# KiCad board constellation.kicad_pcb (continued)
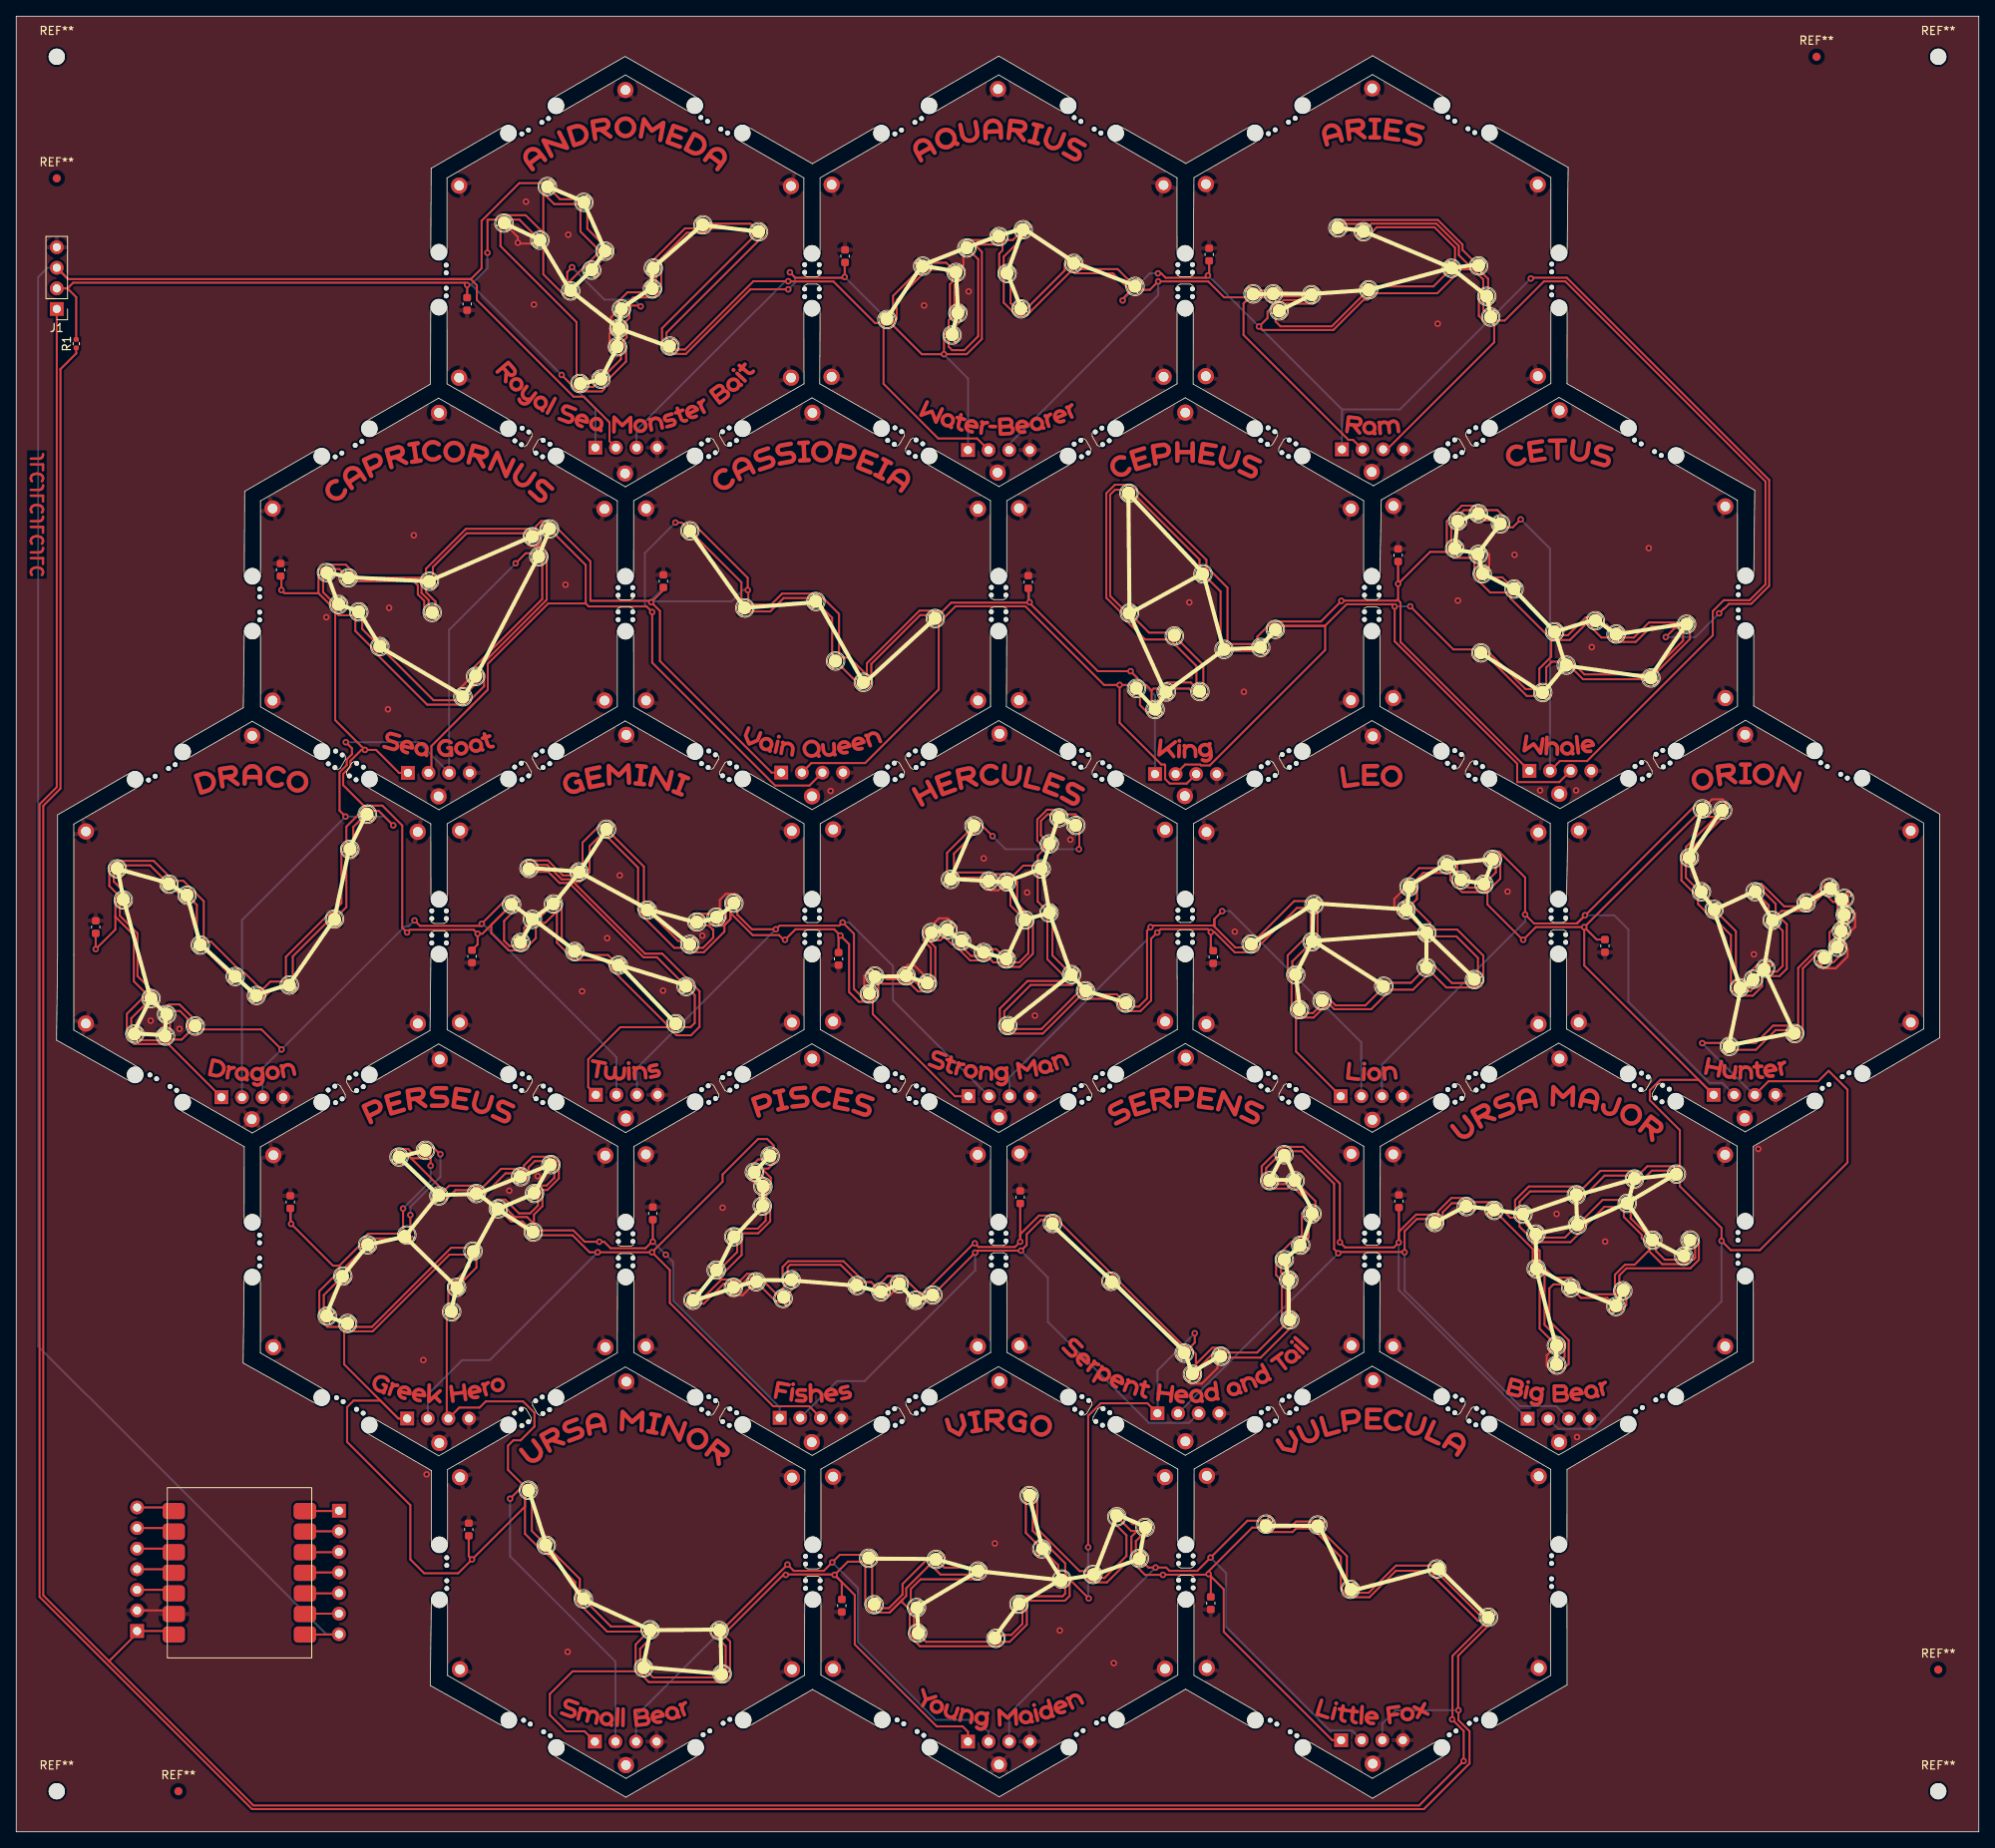
[diagram p0: board, top side]
## Routing (per net, layer and track width the routed paths; a pad name or vN(x,y) marks a point on that pad's centre or on a via; arc(x,y) is an arc through that point) (continued)
LED_Andromeda: length 293.2
  Top w0.25: 6.39,191.57 53.48,191.57 ; 6.39,191.57 J1.3 6.39,191.57 ; 53.48,191.57 56.07,191.57 57.38,192.88 57.38,198.76 62.03,203.41 U1.4 65.06,203.4 ; 53.48,191.57 56.03,191.57 56.8,190.8 56.8,188.99 68.73,177.06 69.99,177.06 73.16,173.89 73.16,171.57 J3.2 ; U267.1 39.76,24.33 J40.7
  Bottom w0.25: J40.7 38.23,24.37 2.7,59.9 2.7,191.8 3.86,192.96 J1.3
LED_Aquarius: length 84
  Top w0.25: 106.94,186.15 105.89,186.15 100.77,191.27 95.23,191.27 v1(95.2,191.3) 90.9,191.3 82.48,182.88 U17.1 ; 106.94,186.15 106.77,186.15 ; 106.94,186.15 106.94,178.64 113.69,171.9 118.48,171.9 J4.2
  Bottom w0.25: v1(95.2,191.3) 94.84,191.3 76.49,172.95 J3.3
LED_Aries: length 68.9
  Top w0.25: U29.1 139.78,190.24 v1(140.81,191.28) 140.9,191.36 140.98,191.28 146.98,191.28 148.94,189.31 U30.4 151.34,188.56 151.34,184.66 164.27,171.74 164.84,171.74 J5.2
  Bottom w0.25: v1(140.81,191.28) 140.81,189.57 122.44,171.2 J4.3
LED_Capricornus: length 100.2
  Top w0.25: 55.84,138.61 58.14,140.91 58.14,144.09 65.59,151.55 70.22,151.55 ; 70.22,151.55 70.59,151.18 77.73,151.18 v1(78.42,150.49) 78.42,144.24 93.58,129.08 97.81,129.08 J8.3 ; 70.22,151.55 70.22,156.29 U73.4 ; J9.2 51.2,131.01 51.2,133.97 56.35,139.12 ; 82.64,160.94 82.05,161.53 v1(81.28,161.53)
  Bottom w0.25: v1(81.28,161.53) 77.52,157.77 77.52,151.39 v1(78.42,150.49)
LED_Cassiopeia: length 77
  Top w0.25: J7.3 144.32,129.32 142.24,129.32 141.67,129.89 141.67,131.6 141.59,131.68 141.21,131.68 136.06,136.82 v1(136.06,141.49) ; J8.2 98.05,131.86 104.68,131.86 113.75,140.93 U67.4 113.89,149.26 115.83,151.2 124.43,151.2 134.14,141.49 v1(136.06,141.49) ; v1(136.06,141.49) U66.1
LED_Cepheus: length 96.8
  Top w0.25: J6.3 190.28,129.51 185.08,129.51 185.08,131.77 169.97,146.88 169.97,151.44 164.04,151.44 161.37,148.78 155.68,148.78 161.4,148.78 161.4,145.8 147.17,131.57 146.1,131.57 145.99,131.68 144.13,131.68 J7.2 ; U55.1 177.21,145.88 v1(171.89,151.19)
  Bottom w0.25: v1(169.97,151.17) 169.99,151.19 v1(171.89,151.19)
LED_Cetus: length 153.1
  Top w0.25: J5.3 169.03,170.56 182.25,183.77 U40.1 183.56,186.45 188.38,191.28 191.01,191.28 215.7,166.6 215.7,153.9 213.75,151.95 210.55,151.95 209.2,150.6 209.2,147.61 193.7,132.11 190.34,132.11 J6.2 ; 183.44,160.94 184.54,160.94 v1(185.52,161.92)
  Bottom w0.25: J6.2 189.13,158.31 v1(185.52,161.92)
LED_Draco: length 106.9
  Top w0.25: U84.1 62.83,157.75 v1(61.58,156.5) ; 43.72,125.97 44.69,125.97 v1(46.49,124.17) ; J10.2 27.6,90.63 ; v1(40.61,125.25) 39.87,125.99 39.87,130.72 40.76,131.61 40.76,132.31 41.4,132.95 41.4,133.67 v1(40.64,134.43)
  Bottom w0.25: v1(46.49,124.17) 45.41,125.25 v1(40.61,125.25) 27.84,112.48 J10.2 ; v1(61.58,156.5) 53.38,148.3 J9.3 49.6,134.43 v1(40.64,134.43)
LED_Gemini: length 82.4
  Top w0.25: U101.4 60.19,114.83 57.4,112.05 v1(57.4,112.02) 57.15,111.77 49.79,111.77 v1(49.12,112.44) 49.23,112.55 ; U100.1 30.25,98.99 v1(32.72,96.52)
  Bottom w0.25: v1(57.4,112.02) 57.55,112.02 74.01,95.56 J11.2 ; v1(49.12,112.44) 48.37,111.69 47.89,111.69 v1(32.72,96.52) 30.38,94.18 J10.3
LED_Hercules: length 82.7
  Top w0.25: U117.4 104.35,102.95 103.3,104 103.3,110.8 v1(101.9,112.2) 101.5,111.8 94.12,111.8 v1(93.67,111.35) 90.72,111.35 88.92,113.16 88.92,114.14
  Bottom w0.25: v1(93.67,111.35) 76.55,94.23 J11.3 ; v1(101.9,112.2) 102.7,112.2 108.1,106.8 108.1,102.6 J12.2
LED_Leo: length 86.4
  Top w0.25: v1(148.71,113.58) 147.74,112.61 ; 147.74,112.61 147.74,111.81 140.07,111.81 v1(139.87,111.61) 139.44,111.18 139.44,102.82 138.43,101.81 U139.1 ; 147.74,112.61 147.74,111.68 150.32,109.1 U140.4
  Bottom w0.25: v1(139.87,111.61) 139.44,111.18 139.44,110.06 122.49,93.11 J12.3 ; v1(148.71,113.58) 149.68,113.58 165.86,97.4 J13.2
LED_Orion: length 102.6
  Top w0.25: v1(193.44,113.08) 192.47,112.11 192.47,112.07 ; U156.4 207.03,126.62 192.47,112.07 ; 192.47,112.07 187.16,112.07 v1(186.06,113.17) 186.06,117.74 182.85,120.95 181.99,120.95 181.6,120.56 U155.1
  Bottom w0.25: J13.3 168.4,94.65 186.06,112.31 v1(186.06,113.17) ; v1(193.44,113.08) 197.02,113.08 198.8,111.3 198.8,102.4 208.8,92.4 210.37,92.4 J14.2
LED_OUT: length 381.3
  Top w0.25: U266.1 181.96,25.87 177.8,21.71 177.8,15.04 v1(177.84,15) 177.84,13.77 179.21,12.41 179.21,8.43 173.58,2.8 29.06,2.8 2.88,28.98 2.88,126.77 5,128.89 J1.1
  Bottom w0.25: v1(177.84,15) 170.1,15 168.45,13.35 J23.3
LED_Perseus: length 100.5
  Top w0.25: v1(78.4,71.5) v1(71.7,71.5) 70.7,71.5 68.6,73.6 64.21,73.6 U223.4 ; v1(78.4,71.5) 87.1,80.2 87.1,81.1 91.47,85.47 92.6,85.47 93.39,84.68 U222.1 ; v1(78.4,71.5) 80.6,69.3 80.6,65.25 93.35,52.5 97.79,52.5 J17.3
  Bottom w0.25: J18.2 50.75,53.95 55,58.2 58.4,58.2 v1(71.7,71.5)
LED_Pisces: length 84
  Top w0.25: U206.1 126.36,75.49 124.6,73.72 124.6,72.4 v1(123.9,71.7) 118.5,71.7 v1(118.25,71.45) U207.4
  Bottom w0.25: v1(118.25,71.45) 118.25,69.25 104.6,55.6 101.21,55.6 J17.2 ; J16.3 144.62,50.46 139.66,50.46 127.21,62.91 127.21,68.39 v1(123.9,71.7)
LED_Serpens: length 90.8
  Top w0.25: U194.4 158.5,83.97 162.5,79.96 162.5,71.9 v1(163.01,71.38) 163.17,71.54 171.16,71.54 v1(171.2,71.5) ; 171.2,71.89 v1(171.2,71.5) ; v1(171.2,71.5) 171.2,74.1 172.71,75.6 174.5,75.6
  Bottom w0.25: v1(163.01,71.38) J16.2 ; v1(171.2,71.5) 171.2,66.77 185.45,52.52 189.89,52.52 J15.3
LED_Ursa_major: length 100.9
  Top w0.25: U175.4 205.14,79.64 210.28,74.5 v1(210.28,72.9) 211.42,71.76 215,71.76 225.81,82.57 225.81,91.56 223.49,93.89 222.2,92.6 216.07,92.6 J14.3 ; U174.1 207.93,97.33 v1(207.9,97.3)
  Bottom w0.25: J14.3 214.28,90.92 v1(207.9,97.3) ; v1(210.28,72.9) 210.28,65.43 194.57,49.72 190.15,49.72 J15.2
LED_Ursa_minor: length 74.7
  Top w0.25: U239.1 53.09,63.55 53.09,51.19 J18.3 54.64,52.34 57.14,52.34 57.9,53.1 62.5,53.1 63.9,51.7 63.9,50 62.2,48.3 61.3,48.3 60.64,47.64 60.64,44.65 U240.4 62.7,42.59 62.39,42.59 v1(60.9,41.1)
  Bottom w0.25: v1(60.9,41.1) 60.9,34 73.89,21.01 J19.2
LED_Virgo: length 84.5
  Top w0.25: U246.1 87.38,25.25 v1(95.1,32.97) 95.87,32.2 99.58,32.2 v1(100.62,33.24) 101.56,34.18 U247.4
  Bottom w0.25: J22.2 119.9,12.3 118.4,13.8 113.4,13.8 103.8,23.4 103.8,30.06 v1(100.62,33.24) ; J19.3 76.43,14.3 v1(95.1,32.97)
LED_Vulpecula: length 78.6
  Top w0.25: U261.1 139.6,32.6 v1(140.5,32.6) 141.79,32.6 142.2,32.2 145.64,32.2 v1(147.27,33.83) 151.82,38.38 U262.4
  Bottom w0.25: v1(140.5,32.6) 122.44,14.55 J22.3 ; v1(147.27,33.83) 149.2,31.9 149.2,25.28 162,12.47 164.74,12.47 J23.2
Net-(J40-Pin_1): length 4.2
  Top w0.25: J40.1 39.76,39.57 U267.7
Net-(J40-Pin_2): length 4.2
  Top w0.25: U267.6 35.64,37.07 J40.2
Net-(J40-Pin_3): length 4.2
  Top w0.25: U267.5 39.76,34.49 39.8,34.53
Net-(J40-Pin_4): length 4.2
  Top w0.25: U267.4 35.64,31.99 J40.4
Net-(J40-Pin_5): length 4.2
  Top w0.25: U267.3 39.76,29.41 J40.5
Net-(J40-Pin_6): length 4.2
  Top w0.25: J40.6 35.64,26.91 U267.2
Net-(J41-Pin_3): length 4.7
  Top w0.25: 14.9,29.85 19,29.85 U267.12
Net-(J41-Pin_4): length 4.7
  Top w0.25: J41.4 19,32.4 U267.11
Net-(J41-Pin_5): length 4.7
  Top w0.25: U267.10 19,34.94 J41.5
Net-(J41-Pin_6): length 4.7
  Top w0.25: U267.9 19,37.47 J41.6
Net-(J41-Pin_7): length 4.7
  Top w0.25: U267.8 19,40.01 J41.7
Net-(U1-DOUT): length 4.1
  Top w0.25: U2.4 69.53,201.42 67.06,201.42 U1.1
Net-(U2-DOUT): length 5.9
  Top w0.25: U3.4 70.42,197.78 U2.1
Net-(U3-DOUT): length 1.8
  Top w0.25: U3.1 72.59,194.3 U4.4
Net-(U4-DOUT): length 2.5
  Top w0.25: U4.1 70.5,192.25 U5.4
Net-(U5-DOUT): length 7.8
  Top w0.25: 65,195.94 65,192.15 67.47,189.68 U5.1
Net-(U6-DOUT): length 4.5
  Top w0.25: U7.4 62.04,198.9 U6.1
Net-(U7-DOUT): length 22.8
  Top w0.25: U7.1 59.71,195.63 69.09,186.25 U8.4
Net-(U8-DOUT): length 2
  Top w0.25: U8.1 71.14,178.26 U9.4
Net-(U10-DIN): length 4
  Top w0.25: U10.4 74.56,181.69 U9.1
Net-(U10-DOUT): length 2.1
  Top w0.25: 74.73,185.06 74.73,184.5 74.42,184.19 74.02,184.19 73.72,183.9 U10.1
Net-(U11-DOUT): length 2
  Top w0.25: U11.1 73.89,186.16 75.06,187.34 U12.4
Net-(U12-DOUT): length 4.8
  Top w0.25: U12.1 74.21,188.78 75.37,189.94 U13.4
Net-(U13-DOUT): length 1.8
  Top w0.25: U14.4 78.88,192.38 U13.1
Net-(U14-DOUT): length 8.1
  Top w0.25: U14.1 78.14,193.5 82.47,197.83 U15.4
Net-(U15-DOUT): length 6.3
  Top w0.25: U15.1 85.39,198.4 90.53,198.4 U16.4
Net-(U16-DOUT): length 18.1
  Top w0.25: U17.4 80.18,184.95 91.95,196.72 91.95,196.97
Net-(U18-DOUT): length 7.2
  Top w0.25: U18.1 108.12,187.32 108.12,189.5 U19.4
Net-(U19-DOUT): length 3.6
  Top w0.25: U19.1 114.69,193.59 U20.4
Net-(U20-DOUT): length 4.4
  Top w0.25: U20.1 116.31,191.47 115.69,190.84 115.69,187.8
Net-(U21-DOUT): length 2.2
  Top w0.25: U21.1 116.53,186.47 115.83,185.76 U22.4
Net-(U22-DOUT): length 16.4
  Top w0.25: U22.1 114.97,183.22 115.4,182.8 116.9,182.8 118.62,184.52 118.62,194.01 U23.4
Net-(U23-DOUT): length 4.3
  Top w0.25: U24.4 117.09,196.38 116.8,196.09 U23.1
Net-(U24-DOUT): length 2.5
  Top w0.25: U24.1 122.64,197.24 123.5,198.09 U25.4
Net-(U25-DOUT): length 5.7
  Top w0.25: U25.1 124.59,197.16 121.76,194.33 U26.4
Net-(U26-DOUT): length 4.2
  Top w0.25: U27.4 122.61,188.59 U26.1
Net-(U27-DOUT): length 8.5
  Top w0.25: U27.1 124.55,187.9 129.29,192.64 129.29,193.48 129.74,193.93 129.99,193.93
Net-(U28-DOUT): length 7.5
  Top w0.25: U28.1 131.11,192.8 135.82,192.8 U29.4
Net-(U30-DOUT): length 1.6
  Top w0.25: 152.94,190.16 U31.4
Net-(U31-DOUT): length 4.2
  Top w0.25: U31.1 155.54,189.43 158.41,189.43 159.04,190.06 U32.4
Net-(U32-DOUT): length 4.8
  Top w0.25: U32.1 160.15,188.74 159.94,188.53 156.6,188.53 156.15,188.07
Net-(U33-DOUT): length 13.9
  Top w0.25: 166.34,189.81 166.3,189.81 162.22,185.74 155.9,185.74 155.29,186.34 U33.1
Net-(U34-DOUT): length 10.1
  Top w0.25: U34.1 174.75,190.66 176.56,192.47
Net-(U35-DOUT): length 14.4
  Top w0.25: U35.1 177.41,195.44 174.89,197.96 167.76,197.96 166.78,196.99 U36.4
Net-(U36-DOUT): length 2.4
  Top w0.25: U37.4 164.1,197.46 164.47,197.84 U36.1
Net-(U37-DOUT): length 20.4
  Top w0.25: U37.1 162.55,198.78 162.62,198.86 175.31,198.86 178.34,195.83 178.34,195.17 179.9,193.62
Net-(U38-DOUT): length 3.3
  Top w0.25: U39.4 181.5,190.12 181.5,191.6 180.75,192.35 U38.1
Net-(U39-DOUT): length 1.9
  Top w0.25: U39.1 180.91,187.8 181.4,187.31
Net-(U41-DOUT): length 2
  Top w0.25: 182.59,161.8 181.15,161.8 180.72,162.22
Net-(U42-DOUT): length 2.4
  Top w0.25: U43.4 178.18,162.75 178.5,163.06 U42.1
Net-(U43-DOUT): length 2.7
  Top w0.25: U44.4 176.95,160.92 U43.1
Net-(U44-DOUT): length 2.1
  Top w0.25: U44.1 179.76,157.91 U45.4
Net-(U45-DOUT): length 1.7
  Top w0.25: U45.1 180.72,156.69 180.34,156.32 U46.4
Net-(U46-DOUT): length 3.5
  Top w0.25: 184.28,153.75 183.25,154.78 U46.1
Net-(U47-DOUT): length 6.1
  Top w0.25: U47.1 185.12,152.62 189.28,148.47
Net-(U48-DOUT): length 5.1
  Top w0.25: U48.1 191.32,147.62 193.53,149.83 U49.4
Net-(U49-DOUT): length 2
  Top w0.25: U50.4 196.06,148.99 U49.1
Net-(U50-DOUT): length 8.7
  Top w0.25: U50.1 199.47,147.34 201.33,149.2 205.33,149.2 U51.4
Net-(U51-DOUT): length 7.6
  Top w0.25: 206.38,148.56 206.38,147.18 U52.4
Net-(U52-DOUT): length 10.2
  Top w0.25: U53.4 191.89,143.51 193.2,142.2 200.87,142.2 U52.1
Net-(U53-DOUT): length 5
  Top w0.25: U54.4 188.66,143.65 189.37,144.36 U53.1
Net-(U54-DOUT): length 8.8
  Top w0.25: U55.4 181.38,145.03 186.27,140.13 U54.1
Net-(U56-DOUT): length 1.8
  Top w0.25: 153.88,146.55 154.82,147.49 U56.1
Net-(U57-DOUT): length 3.8
  Top w0.25: U58.4 149.6,145.69 U57.1
Net-(U58-DOUT): length 9.2
  Top w0.25: U58.1 148.51,153.02 U59.4
Net-(U59-DOUT): length 12.8
  Top w0.25: U60.4 138.15,164.72 145.91,156.96 U59.1
Net-(U60-DOUT): length 17.3
  Top w0.25: U61.4 136.57,150.78 134.89,152.47 134.89,164.97 135.49,165.57 136.78,165.57
Net-(U61-DOUT): length 5.5
  Top w0.25: U62.4 139.68,147.95 U61.1
Net-(U62-DOUT): length 7.3
  Top w0.25: U63.4 146.38,143.95 U62.1
Net-(U63-DOUT): length 3.6
  Top w0.25: U63.1 145.42,140.25 144.62,141.05 U64.4
Net-(U64-DOUT): length 1.6
  Top w0.25: U64.1 140.86,139.67 U65.4 140.84,138.92
Net-(U65-DOUT): length 3.5
  Top w0.25: U65.1 139.53,138.04 138.57,139 U66.4
Net-(U67-DOUT): length 13
  Top w0.25: U68.4 105.09,141.39 105.44,141.74 105.44,144.08 111.47,150.12 U67.1
Net-(U68-DOUT): length 3.3
  Top w0.25: U68.1 103.24,142.24 U69.4
Net-(U69-DOUT): length 7.2
  Top w0.25: 99.03,151.37 100.61,149.78 U69.1
Net-(U70-DOUT): length 8.6
  Top w0.25: U70.1 94.64,152.22 92.98,150.56 U71.4
Net-(U71-DOUT): length 11.1
  Top w0.25: U71.1 89.42,154.16 83.5,160.09
Net-(U73-DOUT): length 2.8
  Top w0.25: 65.33,161.18 64.86,161.18 64.62,160.94 64.62,159.66 64.32,159.36 U74.4
Net-(U74-DOUT): length 14.9
  Top w0.25: U74.1 55.55,160.21 51.38,156.04 U75.4
Net-(U75-DOUT): length 3.5
  Top w0.25: U76.4 51.71,151.77 50.52,152.95 50.52,153.87
Net-(U76-DOUT): length 12.8
  Top w0.25: U76.1 50.61,150.01 50.31,150.31 50.31,151.87 49.52,152.66 49.52,153.78 49.02,154.28 U77.4
Net-(U77-DOUT): length 2.1
  Top w0.25: U78.4 39.86,155.79 U77.1
Net-(U78-DOUT): length 4
  Top w0.25: U79.4 38.93,151.84 37.84,152.93 U78.1
Net-(U79-DOUT): length 1.7
  Top w0.25: U79.1 41.76,150.99 U80.4
Net-(U80-DOUT): length 4.2
  Top w0.25: 42.66,150.08 42.66,148.39 U81.4
Net-(U81-DOUT): length 12
  Top w0.25: U82.4 51.45,139.61 U81.1
Net-(U82-DOUT): length 2.3
  Top w0.25: U83.4 57.06,142.03 U82.1
Net-(U83-DOUT): length 17.5
  Top w0.25: U84.4 64.86,152.09 56.22,143.44 U83.1
Net-(U85-DOUT): length 4.1
  Top w0.25: U86.4 41.56,123.96 42.73,125.12 U85.1
Net-(U86-DOUT): length 8.2
  Top w0.25: U86.1 40.71,114.08 U87.4
Net-(U87-DOUT): length 9.6
  Top w0.25: U88.4 34.1,108 38.3,112.19 U87.1
Net-(U88-DOUT): length 3.7
  Top w0.25: U88.1 31.64,104.05 30.36,102.76 U89.4
Net-(U89-DOUT): length 2.4
  Top w0.25: U90.4 28.92,103.61 U89.1
Net-(U90-DOUT): length 4.7
  Top w0.25: U91.4 26.16,105.94 U90.1
Net-(U91-DOUT): length 5.6
  Top w0.25: U91.1 22.27,114.34 U92.4
Net-(U92-DOUT): length 1.6
  Top w0.25: U93.4 19.77,115.97 U92.1
Net-(U93-DOUT): length 6.3
  Top w0.25: U94.4 16.51,119.24 U93.1
Net-(U94-DOUT): length 3.7
  Top w0.25: U94.1 12.03,117.24 13.62,115.64 U95.4
Net-(U95-DOUT): length 13.1
  Top w0.25: 12.78,114.55 12.78,113.03 14.95,110.85 14.95,105.58 17.05,103.48 U96.4
Net-(U96-DOUT): length 4.4
  Top w0.25: U97.4 14.19,100.37 U96.1
Net-(U97-DOUT): length 3.1
  Top w0.25: 17.98,97.75 17.88,97.65 15.4,97.65 U97.1
Net-(U98-DOUT): length 1.9
  Top w0.25: U99.4 18.96,98.73 U98.1
Net-(U100-DIN): length 5.3
  Top w0.25: U100.4 21.65,100.56 20.13,102.08 18.85,102.08 18.11,101.34 U99.1
Net-(U101-DOUT): length 6.5
  Top w0.25: U102.4 60.81,109.29 60.16,109.94 60.16,112.38 61.51,113.73 U101.1
Net-(U102-DOUT): length 2.2
  Top w0.25: U102.1 62.64,111.56 U103.4
Net-(U103-DOUT): length 2.2
  Top w0.25: U104.4 64.77,113 64.08,113
Net-(U104-DOUT): length 6.8
  Top w0.25: 68.44,109.03 67.27,110.2 67.27,114.55 66.92,114.9 U104.1
Net-(U105-DOUT): length 4.9
  Top w0.25: U105.1 72.98,108.17 U106.4
Net-(U106-DOUT): length 9
  Top w0.25: U106.1 80.9,100.26 U107.4
Net-(U107-DOUT): length 6.5
  Top w0.25: U107.1 83.15,99.27 83.67,99.79 83.67,103.23 83.03,103.86
Net-(U108-DOUT): length 24.2
  Top w0.25: U108.1 79.01,107.89 77.35,107.89 68.18,117.06 66.99,117.06 65.61,118.44 U109.4
Net-(U109-DOUT): length 7.4
  Top w0.25: U110.4 67.41,118 65.57,119.84 62.88,119.84 62.81,119.77 U109.1
Net-(U110-DOUT): length 6.6
  Top w0.25: U110.1 69.83,122.06 71.89,124.11 72.36,124.11
Net-(U111-DOUT): length 10.9
  Top w0.25: U112.4 77.4,119.08 U111.1
Net-(U112-DOUT): length 5.8
  Top w0.25: U113.4 81.62,109.91 U112.1
Net-(U113-DOUT): length 5.8
  Top w0.25: U113.1 84.69,109.06 85.95,110.32 85.95,111.28 85.89,111.34 85.87,111.34 85.45,111.75 85.45,111.78 85.41,111.83 U114.4
Net-(U114-DOUT): length 2.9
  Top w0.25: U115.4 83.62,113.27 83.5,113.15 83.5,112.67
Net-(U115-DOUT): length 3.6
  Top w0.25: 88.06,115 87.7,115 87.52,114.81 87.52,112.7 87.23,112.42 U115.1
Net-(U117-DOUT): length 1.4
  Top w0.25: U117.1 105.62,104.97 105.44,105.14
Net-(U118-DOUT): length 3.4
  Top w0.25: U119.4 107.36,105.17 106.84,105.69 106.59,105.69 106.3,106
Net-(U119-DOUT): length 2.9
  Top w0.25: U119.1 110.42,106.03 110.78,105.66 110.78,104.96 111.48,104.26 U120.4
Net-(U120-DOUT): length 7
  Top w0.25: U121.4 112.15,111.37 111.85,111.07 111.85,109.96 112.78,109.03 U120.1
Net-(U121-DOUT): length 2
  Top w0.25: U122.4 114.39,111.73 113.92,111.26 113.92,110.72 113.72,110.52 U121.1
Net-(U122-DOUT): length 1
  Top w0.25: U122.1 115.57,110.88 U123.4
Net-(U123-DOUT): length 2.8
  Top w0.25: U124.4 117.75,108.06 116.98,108.81 U123.1
Net-(U124-DOUT): length 2.3
  Top w0.25: U125.4 120.86,108.91 U124.1
Net-(U125-DOUT): length 6.4
  Top w0.25: U125.1 123.66,107.25 124.81,108.41 U126.4
Net-(U126-DOUT): length 4.4
  Top w0.25: U126.1 122.59,114.29 122.59,116.76 U127.4
Net-(U127-DOUT): length 1.7
  Top w0.25: U127.1 121.26,117.61 120.53,116.89 U128.4
Net-(U128-DOUT): length 4.2
  Top w0.25: U128.1 116.55,117.73 115.88,117.07 U129.4
Net-(U129-DOUT): length 7
  Top w0.25: U129.1 114.78,120.79 U130.4
Net-(U130-DOUT): length 16.4
  Top w0.25: v1(120.39,122.84) 118.69,124.53 U130.1 ; v1(131.04,121.23) 131.09,121.28 U131.4
  Bottom w0.25: v1(120.39,122.84) 122,121.23 v1(131.04,121.23)
Net-(U131-DOUT): length 1.3
  Top w0.25: U132.4 129.1,124.58 130.24,124.58
Net-(U132-DOUT): length 4.8
  Top w0.25: U133.4 126.35,122.92 126.35,124.71 127.17,125.53 U132.1
Net-(U133-DOUT): length 2.7
  Top w0.25: U133.1 127.82,121.32 126.81,120.31 U134.4
Net-(U134-DOUT): length 5
  Top w0.25: U135.4 125.95,114.78 125.95,118.35 U134.1
Net-(U135-DOUT): length 7.6
  Top w0.25: 127.78,112.95 127.78,108.11 129.71,106.19
Net-(U136-DOUT): length 12
  Top w0.25: U136.1 130.56,104.86 130.18,104.48 125.09,104.48 121.83,101.22 U137.4
Net-(U137-DOUT): length 11.1
  Top w0.25: U137.1 126.42,99.05 130.88,103.5 130.88,103.88 131.18,104.18 U138.4
Net-(U138-DOUT): length 4.4
  Top w0.25: U138.1 135.71,103.33 U139.4
Net-(U140-DOUT): length 8.9
  Top w0.25: U141.4 157.58,114.83 U140.1
Net-(U141-DOUT): length 3.8
  Top w0.25: U141.1 160.46,110.49 U142.4
Net-(U142-DOUT): length 4.1
  Top w0.25: U143.4 157.35,107.38 U142.1
Net-(U143-DOUT): length 3.6
  Top w0.25: U143.1 158.2,104.83 157.81,104.44 U144.4
Net-(U144-DOUT): length 2.6
  Top w0.25: U145.4 160.59,101.7 159.9,101.01 U144.1
Net-(U145-DOUT): length 8
  Top w0.25: U146.4 168.21,103.8 166.37,101.96 162.68,101.96 161.69,102.94 161.44,102.94
Net-(U146-DOUT): length 5
  Top w0.25: U146.1 169.06,104.75 171.99,104.75 U147.4
Net-(U147-DOUT): length 6.1
  Top w0.25: 179.4,104.72 177.03,104.72 174.91,106.83 174.53,106.83 U147.1
Net-(U148-DOUT): length 9.2
  Top w0.25: U149.4 177.59,110.47 180.25,107.81 U148.1
Net-(U149-DOUT): length 2.7
  Top w0.25: U150.4 171.81,113.03 U149.1
Net-(U150-DOUT): length 2.5
  Top w0.25: 172.16,116.14 172.16,115.89 170.96,114.69 U150.1
Net-(U151-DOUT): length 5.6
  Top w0.25: U152.4 172.98,118.89 171.31,117.23 171.31,117
Net-(U152-DOUT): length 2.5
  Top w0.25: U152.1 177.31,119.75 177.69,119.36 U153.4
Net-(U153-DOUT): length 2.2
  Top w0.25: U154.4 179.07,116.48 178.54,117
Net-(U154-DOUT): length 2.7
  Top w0.25: U154.1 182.45,118.37 U155.4
Net-(U156-DOUT): length 1.9
  Top w0.25: 210,126.47 209.75,126.47 209.05,125.77 U156.1
Net-(U157-DOUT): length 6.7
  Top w0.25: U158.4 206.74,121.44 210.84,125.55 U157.1
Net-(U158-DOUT): length 4.1
  Top w0.25: U158.1 205.88,117.72 207.2,116.4 U159.4
Net-(U159-DOUT): length 1.6
  Top w0.25: U159.1 208.94,114.83 U160.4
Net-(U160-DOUT): length 9.8
  Top w0.25: 212.06,104.56 212.06,111.11 U160.1
Net-(U161-DOUT): length 2.3
  Top w0.25: U162.4 214.63,104.5 213.84,103.7 U161.1
Net-(U162-DOUT): length 2.3
  Top w0.25: U162.1 213.78,106.08 214.68,106.97 U163.4
Net-(U163-DOUT): length 7.5
  Top w0.25: U163.1 217.12,106.12 217.82,106.83 217.82,111.16 U164.4
Net-(U164-DOUT): length 3.2
  Top w0.25: U164.1 216.1,114.3 U165.4
Net-(U165-DOUT): length 7.8
  Top w0.25: U166.4 218,114.18 215.22,116.97 214.37,116.97 213.99,116.58 213.99,116.42
Net-(U166-DOUT): length 2.8
  Top w0.25: U167.4 223.09,116.91 221.21,115.03 U166.1
Net-(U167-DOUT): length 1.2
  Top w0.25: U168.4 224.52,116.06 U167.1
Net-(U168-DOUT): length 1.5
  Top w0.25: 225.12,113.56 225.12,113.67 225.85,114.41 U168.1
Net-(U169-DOUT): length 1.3
  Top w0.25: U169.1 225.97,112.03 225.5,111.56
Net-(U170-DOUT): length 1.4
  Top w0.25: U170.1 224.18,110.24 U171.4
Net-(U171-DOUT): length 2.7
  Top w0.25: U172.4 224.06,107.25 225.03,108.22 U171.1
Net-(U172-DOUT): length 11.6
  Top w0.25: U173.4 220.11,98.06 220.3,98.25 220.3,106.52 221.88,108.09 U172.1
Net-(U173-DOUT): length 8.2
  Top w0.25: 211.66,96.47 214.51,96.47 216.95,98.91 U173.1
Net-(U175-DOUT): length 4.9
  Top w0.25: U176.4 200.22,80.11 201.68,81.57 U175.1
Net-(U176-DOUT): length 7.5
  Top w0.25: U177.4 193.06,78.16 195.86,80.96 U176.1
Net-(U177-DOUT): length 8.2
  Top w0.25: U178.4 185.37,77.72 186.66,79.01 U177.1
Net-(U178-DOUT): length 1.9
  Top w0.25: U178.1 186.22,74.92 U179.4
Net-(U179-DOUT): length 4.7
  Top w0.25: U179.1 190.97,73.32 U180.4
Net-(U180-DOUT): length 6.4
  Top w0.25: U180.1 195.61,77.96 U181.4
Net-(U181-DOUT): length 4.6
  Top w0.25: U182.4 199.08,75.7 U181.1
Net-(U182-DOUT): length 4.3
  Top w0.25: U183.4 203.26,70.59 202.22,71.63 U182.1
Net-(U183-DOUT): length 1.2
  Top w0.25: 206.04,71.44 205.97,71.5 U184.4
Net-(U184-DOUT): length 15.3
  Top w0.25: 206.82,73.44 206.97,73.44 207.48,72.92 207.48,70.57 206.43,69.52 198.56,69.52 197.68,68.64 U185.4
Net-(U185-DOUT): length 2.4
  Top w0.25: U186.4 197.93,64.38 198.53,64.98 U185.1
Net-(U186-DOUT): length 5.3
  Top w0.25: U187.4 192.95,65.87 196.19,65.87 U186.1
Net-(U187-DOUT): length 14
  Top w0.25: U188.4 190.87,57.16 191.43,57.72 191.43,60.65 189.05,63.03 189.05,67.03 189.56,67.54 U187.1
Net-(U188-DOUT): length 1.9
  Top w0.25: U189.4 190.35,59.31 189.54,58.5 U188.1
Net-(U189-DOUT): length 9.3
  Top w0.25: U190.4 187.85,62.08 189.5,60.43 U189.1
Net-(U190-DOUT): length 8.2
  Top w0.25: U190.1 187,71.91 182.66,76.25
Net-(U191-DOUT): length 2.7
  Top w0.25: U191.1 180.24,77.09 179.84,76.71 U192.4
Net-(U192-DOUT): length 5.1
  Top w0.25: 178.4,77.56 177.03,77.56 175.9,76.43 175.9,74.96 175.69,74.75 U193.4
Net-(U194-DOUT): length 3.4
  Top w0.25: U195.4 154.12,81.88 155.35,83.12 155.91,83.12
Net-(U195-DOUT): length 2.6
  Top w0.25: U195.1 156.38,79.91 157.21,80.74 157.28,80.74
Net-(U196-DOUT): length 4.1
  Top w0.25: U197.4 160.21,77.8 U196.1
Net-(U197-DOUT): length 3.2
  Top w0.25: U198.4 159.36,73.35 U197.1
Net-(U198-DOUT): length 1.6
  Top w0.25: U199.4 157.03,71.01 157.97,71.96
Net-(U199-DOUT): length 1.9
  Top w0.25: U199.1 155.94,69.04 156.49,68.5
Net-(U200-DOUT): length 4.4
  Top w0.25: U200.1 157.34,67.41 156.62,66.69 156.62,63.59
Net-(U201-DOUT): length 10.5
  Top w0.25: U202.4 149.24,58.5 153.46,58.5 157.47,62.51 157.47,62.74
Net-(U202-DOUT): length 4.7
  Top w0.25: U202.1 147.66,59.09 146.01,57.45 146.01,56.1 145.94,56.03 U203.4
Net-(U203-DOUT): length 1.8
  Top w0.25: U204.4 144.62,58.47 144.62,56.88
Net-(U204-DOUT): length 11.5
  Top w0.25: 135.41,67.5 135.59,67.5 U204.1
Net-(U205-DOUT): length 9
  Top w0.25: U205.1 134.5,68.34 U206.4
Net-(U207-DOUT): length 1.5
  Top w0.25: U207.1 111.96,65.16 U208.4
Net-(U208-DOUT): length 1.7
  Top w0.25: U208.1 110.48,66.01 109.31,67.18
Net-(U209-DOUT): length 1.8
  Top w0.25: U210.4 108.03,68.03 U209.1
Net-(U210-DOUT): length 2.4
  Top w0.25: U210.1 105.94,66.2 105.79,66.35 105.79,66.36 105.19,66.96 104.12,66.96 U211.4
Net-(U211-DOUT): length 10.6
  Top w0.25: U212.4 95.13,69.65 95.43,69.95 101.66,69.95 103.26,68.35 U211.1
Net-(U212-DOUT): length 1.9
  Top w0.25: U212.1 95.98,67.22 U213.4 94.99,66.31
Net-(U213-DOUT): length 3.3
  Top w0.25: U213.1 93.72,65.38 U214.4
Net-(U214-DOUT): length 2.9
  Top w0.25: U214.1 90.21,68.29 89.42,67.5 89.42,67.04 89.12,66.74 U215.4
Net-(U215-DOUT): length 5.2
  Top w0.25: U216.4 83.88,65.15 84.77,65.15 87.21,67.59 U215.1
Net-(U216-DOUT): length 4.7
  Top w0.25: U217.4 85.89,68.33 84.37,66.81 83.36,66.81 83.02,66.47 U216.1
Net-(U217-DOUT): length 4.4
  Top w0.25: U218.4 88.9,71.53 87.1,69.73 U217.1
Net-(U218-DOUT): length 6.7
  Top w0.25: U219.4 92.42,75.41 91.43,74.42 88.16,74.42 88.05,74.31 U218.1
Net-(U219-DOUT): length 1.6
  Top w0.25: U220.4 91.65,77.71 U219.1
Net-(U220-DOUT): length 1.7
  Top w0.25: U220.1 92.5,80.4 91.92,80.97 U221.4
Net-(U221-DOUT): length 2.6
  Top w0.25: U221.1 90.6,82.07 91.48,82.96 92.55,82.96
Net-(U223-DOUT): length 4.3
  Top w0.25: U223.1 62.44,75.3 61,75.3 U224.4
Net-(U224-DOUT): length 8.1
  Top w0.25: 59.02,77.28 59.02,77.76 59.26,78 60.3,78 62,76.3 63.36,76.3 64.33,77.27 64.33,78.34
